# Altium PCB Booster_Main_Board.PcbDoc (part 9 of 11) (continued)
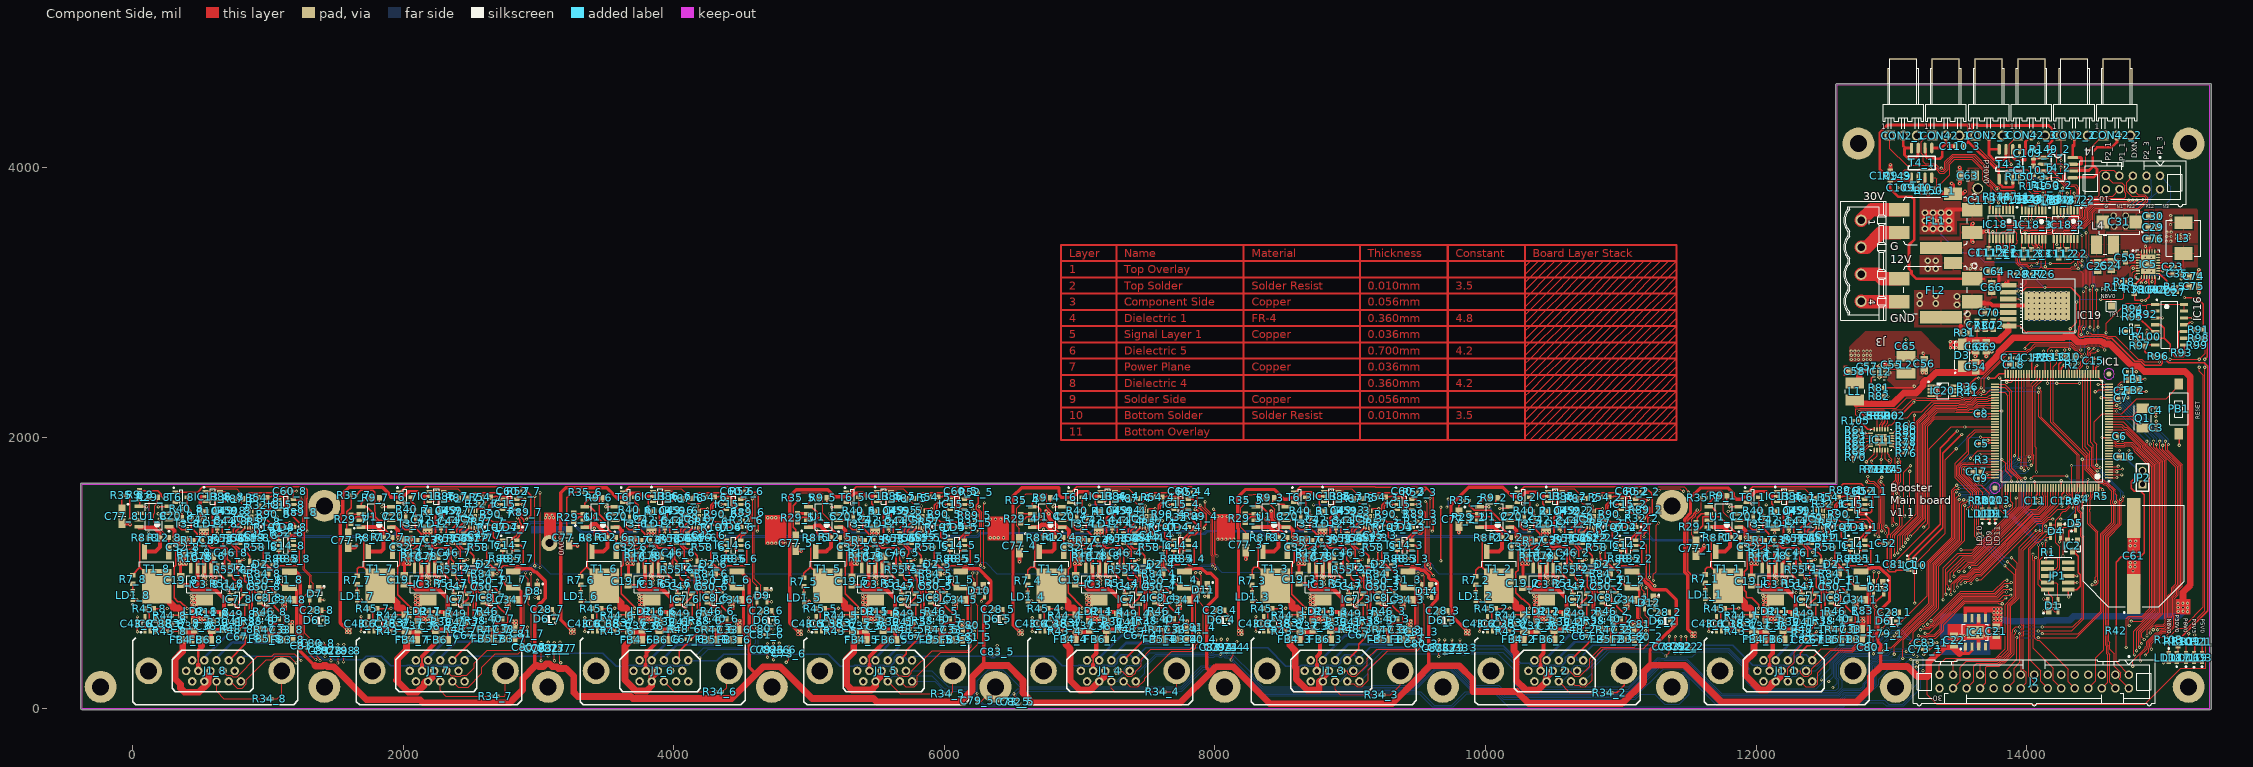
[diagram p0: Component Side view]
## Nets (pads, with @x,y where several pads share a name; then routed paths per layer and width w, separated by ;. In a path a pad name is that pad's centre, name@x,y a point inside that pad or via, vN(x,y) a via of type N, cw(c..) or ccw(c..) an arc to the next point about the centre after c; other vN are vias at no path point) (continued)
  Component Side w10: v1(35,675) C43_8.2@35,641.57 71.57,641.57 IC6_8.5@93,663 ; v1(696,875) R51_8.1@696,902.5 ; v1(786,762) 786,789.46 790.95,794.41 790.95,806.03 IC7_8.5@826.18,841.26 802.72,864.72 C47_8.2@802.72,898.86 ; IC9_8.16@889.53,1340.79 889.53,1328.73 913,1305.26 913,1304 ; IC9_8.5@889.53,1456.93 889.53,1467.53 895,1473 v1(943,1473) 941.5,1474.5 R32_8.1@941.5,1500 ; C45_8.2@929.28,1278 929.28,1287.72 913,1304 ; v1(991,767) 1009,785 1009,801.74 1010.81,803.55 1010.81,835.19 984.16,861.84 984.16,896 C50_8.1@988.72,896 1016,896 1042.18,869.82 IC8_8.5@1042.18,852.4 ; R52_8.1@1121.5,1295 1090,1295 1080.85,1285.85 IC14_8.1@1080.85,1239.4 1041.6,1239.4 1013.7,1267.3 R107_8.2@1013.7,1337.8 1001.14,1350.35 965,1350.35 v1(946.65,1332) 918.65,1304 913,1304 ; C60_8.2@1186.93,1607.07 IC15_8.3@1186.93,1542.52 1191.26,1538.19 1241.01,1538.19 1247,1532.2 1247,1516.5 1248.21,1515.28 1248.21,1473.41 R89_8.2@1240.16,1465.35 ; C60_8.2@1189.67,1604.33 v1(1210.63,1604.33) ; D7.4@1383.4,800.72 1414.17,800.72 v1(1414.9,800) ; v1(1688.54,675.46) C43_7.2@1688.54,642.72 1725.12,642.72 IC6_7.5@1746.54,664.14 ; v1(2349.54,876.14) R51_7.1@2349.54,903.64 ; v1(2435,764) 2447.07,776.07 2447.07,783.97 2453.51,790.41 2461.41,790.41 2479.72,808.72 IC7_7.5@2479.72,842.4 2469.6,842.4 2456.26,855.74 C47_7.2@2456.26,900 ; IC9_7.16@2543.07,1341.93 2543.07,1328.67 2566.54,1305.2 2566.54,1305.14 ; IC9_7.5@2543.07,1458.07 2543.07,1468.67 2548.54,1474.14 2565,1474.14 ; R32_7.1@2561.5,1510 2561.5,1477.65 2565,1474.14 ; C45_7.2@2582.83,1279.14 2582.83,1288.86 2566.54,1305.14 ; v1(2596.54,1474.14) 2565,1474.14 ; v1(2644,768) 2664.07,788.07 2664.07,796.11 2664.35,796.39 2664.35,836.33 2637.7,862.98 2637.7,897.14 2669.54,897.14 2695.72,870.96 IC8_7.5@2695.72,853.54 ; IC14_7.1@2734.39,1240.54 2695.14,1240.54 2667.24,1268.44 R107_7.2@2667.24,1338.94 2654.69,1351.5 2618.54,1351.5 v1(2600.19,1333.14) 2600.19,1331.93 2573.4,1305.14 2566.54,1305.14 ; C60_7.2@2832.6,1604.69 2832.91,1605 C60_7.2@2840.47,1605 ; R52_7.1@2871.5,1605 C60_7.2@2840.47,1605 ; R89_7.2@2903.54,1465.35 2903.54,1538.78 v1(2898.66,1543.66) IC15_7.3@2840.47,1543.66 C60_7.2@2840.47,1605 ; v1(2974,818) 2974.28,817.72 D8.4@2999.4,817.72 ; v1(3342.09,667.91) C43_6.2@3342.09,642.72 3378.66,642.72 IC6_6.5@3400.09,664.14 ; v1(4003.09,876.14) R51_6.1@4003.09,903.64 ; v1(4087,768) 4087,778 4133.27,824.27 IC7_6.5@4133.27,842.4 4119.6,842.4 4109.8,852.2 C47_6.2@4109.8,900 ; IC9_6.16@4196.61,1341.93 4196.61,1325.13 4216.6,1305.14 4220.09,1305.14 ; IC9_6.5@4196.61,1458.07 4196.61,1468.67 4202.09,1474.14 v1(4250.09,1474.14) ; C45_6.2@4236.37,1279.14 4236.37,1288.86 4220.09,1305.14 ; v1(4305,770) 4305,791.8 4317.9,804.69 4317.9,836.33 4291.24,862.98 4291.24,897.14 4323.09,897.14 4349.27,870.96 IC8_6.5@4349.27,853.54 ; IC14_6.1@4387.94,1240.54 4348.69,1240.54 4320.79,1268.44 R107_6.2@4320.79,1338.94 4308.23,1351.5 4272.09,1351.5 v1(4253.73,1333.14) 4225.73,1305.14 4220.09,1305.14 ; C60_6.2@4489.67,1608.21 C60_6.2@4494.02,1608.21 ; R52_6.1@4521.5,1605 4518.28,1608.21 C60_6.2@4494.02,1608.21 ; R32_6.1@4553.5,1390 4555,1390 4570.45,1405.45 4570.45,1444.77 4549.86,1465.35 R89_6.2@4547.24,1465.35 4557.09,1475.2 4557.09,1515.75 4529.17,1543.66 IC15_6.3@4494.02,1543.66 C60_6.2@4494.02,1608.21 ; D9.4@4689.4,785.72 4720.72,785.72 v1(4722,787) ; v1(4995.63,671.37) C43_5.2@4995.63,642.72 5032.2,642.72 IC6_5.5@5053.63,664.14 ; v1(5656.63,876.14) R51_5.1@5656.63,903.64 ; v1(5744,761) 5744,776 5786.81,818.81 IC7_5.5@5786.81,842.4 5763.35,865.87 C47_5.2@5763.35,900 ; IC9_5.16@5850.16,1341.93 5850.16,1326.58 5871.6,1305.14 5873.63,1305.14 ; IC9_5.5@5850.16,1458.07 5850.16,1468.67 5855.63,1474.14 v1(5903.63,1474.14) ; C45_5.2@5889.91,1279.14 5889.91,1288.86 5873.63,1305.14 ; v1(5958,762) 5958,791.25 5971.44,804.69 5971.44,836.33 5944.79,862.98 5944.79,897.14 5976.63,897.14 6002.81,870.96 IC8_5.5@6002.81,853.54 ; IC14_5.1@6041.48,1240.54 6002.23,1240.54 5974.33,1268.44 R107_5.2@5974.33,1338.94 5961.77,1351.5 5925.63,1351.5 5916,1341.87 v1(5916,1333) 5907.13,1333 5879.28,1305.14 5873.63,1305.14 ; C60_5.2@6139.68,1604.69 C60_5.2@6147.56,1604.69 ; C60_5.2@6147.56,1608.21 C60_5.2@6147.56,1604.69 ; R52_5.1@6216.5,1595 6182,1595 6172.31,1604.69 C60_5.2@6147.56,1604.69 ; R32_5.1@6225,1388.5 6228.5,1388.5 6238.98,1398.98 R89_5.2@6238.98,1427.17 6238.98,1434.37 6231.56,1434.37 6224.39,1441.55 6224.39,1452.78 v1(6210.63,1466.54) 6210.63,1525.59 6192.56,1543.66 IC15_5.3@6147.56,1543.66 C60_5.2@6147.56,1604.69 ; v1(6274,788) 6274,797 6295.4,818.4 D10.4@6295.4,823.72 ; v1(6649.17,668.83) C43_4.2@6649.17,642.72 6685.75,642.72 IC6_4.5@6707.17,664.14 ; v1(7310.17,876.14) R51_4.1@7310.17,903.64 ; v1(7397,761) 7397,774 7440.35,817.35 IC7_4.5@7440.35,842.4 7426.6,842.4 7416.89,852.11 C47_4.2@7416.89,900 ; IC9_4.16@7503.7,1341.93 7508.19,1337.44 7508.19,1323.55 7526.6,1305.14 7527.17,1305.14 ; IC9_4.5@7503.7,1458.07 7503.7,1468.67 7509.17,1474.14 v1(7557.17,1474.14) ; C45_4.2@7543.46,1279.14 7543.46,1288.86 7527.17,1305.14 ; v1(7605,766) 7624.7,785.7 7624.7,796.11 7631,802.41 7631,828 7605.17,853.83 7605.17,856.14 7598.33,862.98 7598.33,897.14 7630.17,897.14 7656.35,870.96 IC8_4.5@7656.35,853.54 ; IC14_4.1@7695.02,1240.54 7655.77,1240.54 7627.87,1268.44 R107_4.2@7627.87,1338.94 ; v1(7736.22,1456.69) 7736.22,1434.93 7726.29,1425 ; R32_4.1@7741.5,1410 7741.29,1410 7726.29,1425 ; C60_4.2@7793.23,1604.69 C60_4.2@7800.43,1597.48 ; R52_4.1@7826.5,1595 7802.91,1595 C60_4.2@7800.43,1597.48 ; v1(7905,1115) 7893.13,1126.87 7893.13,1389.63 7912.2,1408.71 R89_4.2@7912.2,1417.32 7912.2,1419.49 7865.16,1466.54 v1(7854.33,1466.54) 7851.19,1469.68 7851.19,1528.73 7836.26,1543.66 IC15_4.3@7801.1,1543.66 7800.43,1544.33 C60_4.2@7800.43,1597.48 ; v1(7924,828) 7924.72,828.72 D11.4@7951.4,828.72 ; v1(7990,1470) 7998.84,1461.16 7998.84,1240.55 8000,1239.39 8000,1140 v1(8015,1125) ; v1(8302.72,675.72) C43_3.2@8302.72,642.72 8339.29,642.72 IC6_3.5@8360.72,664.14 ; v1(8963.72,876.14) R51_3.1@8963.72,903.64 ; v1(9048,767) 9048,775 9093.9,820.9 IC7_3.5@9093.9,842.4 9083.6,842.4 9070.43,855.57 C47_3.2@9070.43,900 ; IC9_3.16@9157.24,1341.93 9161.19,1337.98 9161.19,1319.55 9175.6,1305.14 9180.72,1305.14 ; IC9_3.5@9157.24,1458.07 9157.24,1468.67 9162.72,1474.14 v1(9210.72,1474.14) ; C45_3.2@9197,1279.14 9197,1288.86 9180.72,1305.14 ; v1(9252,768) 9278,794 9278,804.17 9278.53,804.69 9278.53,823.59 9258.72,843.4 9258.72,856.14 9251.87,862.98 9251.87,897.14 9283.72,897.14 9309.9,870.96 IC8_3.5@9309.9,853.54 ; IC14_3.1@9348.57,1240.54 9309.31,1240.54 9281.42,1268.44 R107_3.2@9281.42,1338.94 9268.86,1351.5 R57_3.2@9240,1351.5 9232.72,1351.5 v1(9214.36,1333.14) 9214.36,1327.1 9192.4,1305.14 9180.72,1305.14 ; C60_3.2@9446.77,1602.87 C60_3.2@9454.65,1595 ; C60_3.2@9454.65,1604.69 C60_3.2@9454.65,1608.21 ; R52_3.1@9496.5,1595 C60_3.2@9454.65,1595 ; v1(9576,821) 9576.28,820.72 D14.4@9602.4,820.72 ; v1(9615,980) 9615,982.1 9585.91,1011.19 9582.55,1011.19 9569.19,1024.55 9569.19,1027.91 9552.19,1044.91 9552.19,1069.45 9552.84,1070.1 9552.84,1325.13 9538.5,1339.47 R32_3.1@9538.5,1380 9553.5,1395 9553.5,1446.5 9544.49,1455.51 R89_3.2@9517.72,1455.51 9517.72,1480.72 v1(9523,1486) 9523,1510 9489.34,1543.66 IC15_3.3@9454.65,1543.66 C60_3.2@9454.65,1595 ; v1(9670,1090) v1(9670,1485) ; v1(9925.72,642.72) C43_2.2@9956.26,642.72 9992.83,642.72 IC6_2.5@10014.26,664.14 ; v1(10617.26,876.14) R51_2.1@10617.26,903.64 ; v1(10705,758) 10705,774.18 10721.23,790.41 10721.41,790.41 10747.44,816.44 IC7_2.5@10747.44,842.4 10732,857.84 10732,891.98 C47_2.2@10723.98,900 ; IC9_2.16@10810.79,1341.93 10810.79,1330.95 10834.26,1307.48 10834.26,1305.14 ; IC9_2.5@10810.79,1458.07 10810.79,1468.67 10816.26,1474.14 v1(10864.26,1474.14) ; C45_2.2@10850.54,1279.14 10850.54,1288.86 10834.26,1305.14 ; v1(10923,762) 10931.79,770.79 10931.79,811.47 10905.42,837.84 10905.42,897.14 10937.26,897.14 10963.44,870.96 IC8_2.5@10963.44,853.54 ; IC14_2.1@11002.11,1240.54 10962.86,1240.54 10934.96,1268.44 R107_2.2@10934.96,1338.94 10922.4,1351.5 R57_2.2@10893,1351.5 10886.26,1351.5 10871.55,1336.79 10871.34,1337 v1(10868,1337) 10868,1333.74 10839.4,1305.14 10834.26,1305.14 ; C60_2.2@11100.31,1604.69 11105,1600 C60_2.2@11108.19,1600 ; R52_2.1@11141.5,1600 C60_2.2@11108.19,1600 ; v1(11246,774) 11248.4,771.6 D12.4@11248.4,735.72 ; v1(11250,905) 11247.76,905 11217.32,935.43 11217.32,937.68 11209.81,945.19 11202.55,945.19 11189.19,958.55 11189.19,1205.33 11148.43,1246.09 11148.43,1279.13 11151.02,1281.72 11151.02,1301.42 11173.5,1323.91 R32_2.1@11173.5,1405 11177.25,1405 11215,1442.75 11215,1480 11209.96,1485.04 R89_2.2@11181.1,1485.04 11181.1,1522.1 v1(11202.66,1543.66) IC15_2.3@11108.19,1543.66 C60_2.2@11108.19,1600 ; v1(11555,955) 11496.06,1013.94 11496.06,1387.74 11538.06,1429.74 11538.06,1438.06 v1(11565,1465) ; v1(11615.28,642.72) C43_1.2@11649.17,642.72 11685.75,642.72 IC6_1.5@11707.17,664.14 ; v1(12295,855) 12295,888.46 R51_1.1@12310.17,903.64 ; v1(12397,762) 12397,773.27 12414.14,790.41 12416.41,790.41 12440.35,814.35 IC7_1.5@12440.35,842.4 12428.6,842.4 12416.89,854.11 C47_1.2@12416.89,900 ; IC9_1.16@12503.7,1341.93 12503.7,1329.56 12509.81,1323.45 12509.81,1321.93 12526.6,1305.14 12527.17,1305.14 ; R32_1.1@12516.5,1510 12516.5,1481.46 12509.17,1474.14 v1(12557.17,1474.14) ; C45_1.2@12543.46,1279.14 12543.46,1288.86 12527.17,1305.14 ; v1(12609,766) 12609,788.71 12624.98,804.69 12624.98,823.59 12605.17,843.4 12605.17,856.14 12598.33,862.98 12598.33,897.14 12630.17,897.14 12656.35,870.96 IC8_1.5@12656.35,853.54 ; R89_1.2@12664.17,1630.65 12664.17,1631.89 12691.66,1631.89 12693.72,1633.95 v1@12768.49,1633.95 ; v1(12676,1988) 12689.49,1974.51 R64.2@12717.36,1974.51 R65.2@12717.36,1935.14 ; IC14_1.1@12695.02,1240.54 12655.77,1240.54 12627.87,1268.44 R107_1.2@12627.87,1338.94 12615.31,1351.5 R57_1.2@12586,1351.5 12579.17,1351.5 v1(12560.82,1333.14) 12560.82,1330.56 12535.4,1305.14 12527.17,1305.14 ; v1(12717.36,1828.64) R70.2@12717.36,1856.4 R68.2@12717.36,1895.77 ; R63.2@12717.36,2013.88 R61.2@12717.36,2053.25 v1(12717.36,2085.64) 12717.72,2085.99 R105.2@12717.72,2125.98 ; v1(12759.82,2192.91) 12766.07,2192.91 12776.16,2203 ; v1(12765,1635) 12767.45,1635 v1@12768.49,1633.95 ; C60_1.2@12793.23,1604.69 12793.54,1605 C60_1.2@12797.45,1605 ; v1(12796,1746) 12799,1749 R71.2@12841.82,1749 R72.2@12881.19,1749 R73.2@12930.4,1749 R74.2@12969.77,1749 R75.2@13009.14,1749 ; IC15_1.3@12801.1,1543.66 12801.1,1601.34 C60_1.2@12797.45,1605 ; R52_1.1@12826.5,1605 C60_1.2@12797.45,1605 ; C53.1@12844.13,2143.8 12812.8,2143.8 12776.16,2180.45 12776.16,2203 ; v1(12885,751) 12885,786.32 D13.4@12942.4,843.72 ; IC11.21@12932.72,2061.13 12932.72,2095.92 12946.72,2109.92 12946.72,2112.72 12952,2118 12952,2184.07 ; R81.2@12942.69,2370.26 12942.69,2367.25 13154.26,2367.25 v1@13167.5,2380.5 ; IC12.8@12952.54,2488.37 12953.91,2487 12981,2487 v1(12988,2480) ; R60.1@12977,2180.5 12955.57,2180.5 12952,2184.07 ; C55.2@12983.28,2538 12987,2541.72 v1(12987,2577) ; R62.1@13026,2180.5 13084.5,2180.5 v1(13166,2262) ; C65.1@13107,2659.28 13108.05,2658.24 L2.2@13108.05,2600.57 ; IC10.1@13126.76,1093.4 13126.76,1125.76 13359,1358 13359,1921 v1(13487,2049) ; R76.2@13128.39,1885.93 R77.2@13128.39,1925.3 R78.2@13128.39,1964.67 R79.2@13128.39,2004.04 R80.2@13128.39,2043.41 13128.39,2048.2 13139.76,2059.57 13144.36,2059.57 13169.29,2084.51 v1(13169.29,2165.35) ; v1(13234,2624) 13244,2614 C56.2@13244,2581.43 ; IC20.8@13467.61,2384.39 13509.39,2384.39 13524,2399 13578,2399 ; R41.1@13581.5,2332 13581,2332.5 13581,2396 13578,2399 ; v1(13644,2440) 13624,2440 13583,2399 13578,2399 ; v1(13673,1672) 13674.78,1673.78 13674.78,1699 13680.29,1704.51 13695.23,1704.51 13697.55,1702.19 13762.42,1702.19 IC1.108@13764.74,1704.51 ; v1(13679,2207) 13675.78,2203.78 13675.78,2177 13675.83,2176.95 IC1.84@13764.74,2176.95 ; v1(13681.78,1981.78) 13681.78,1954 13688.2,1960.42 13699.53,1960.42 13702.65,1957.29 13721.55,1957.29 13724.68,1960.42 IC1.95@13764.74,1960.42 ; C113_1.2@13716.54,3741.14 13730.9,3741.14 ; v1(13718,2439) 13764,2439 13795.26,2470.26 IC1.72@13841.51,2470.26 13840,2471.77 v1(13840,2569) ; IC18_1.8@13724.51,3683.07 13730.63,3689.2 13730.63,3740.88 13730.9,3741.14 ; v1(13740.88,3751.13) 13730.9,3741.14 ; v1(13797.24,3783.46) 13797.44,3783.27 13860.43,3783.27 R147_1.2@13874.02,3796.85 ; IC18_1.13@13824.51,3470.47 13827.19,3467.79 13827.19,3396.23 13833.63,3389.79 13835.8,3389.79 R23.1@13850.39,3375.2 13850.39,3346.46 v1(13851.38,3345.47) ; v1@13840,2569.78 13845.65,2564.13 13851.22,2569.7 13853.98,2569.7 C14.1@13873.28,2589 ; IC18_3.8@13964.67,3679.13 13964.67,3733.17 C113_3.2@13957.68,3740.16 13978.35,3740.16 13999.02,3760.83 v1(13999.02,3782.48) 14000.2,3781.3 R24.1@14025.59,3781.3 R148_3.2@14063.98,3781.3 ; v1(14012.22,2577.22) 14038,2577.22 14038.36,2576.86 IC1.62@14038.36,2470.26 ; C11.1@14063,1546.78 C11.1@14063,1550.72 14063,1566 14077.73,1580.73 IC1.121@14077.73,1627.74 ; C11.1@14069,1548.78 v1(14090.78,1548.78) ; R147_3.2@14118.11,3782.28 14118.11,3806.1 v1(14119.09,3807.09) ; v1(14124.02,807.09) 14127.95,803.15 D1.4@14155.51,803.15 ; R25.1@14124.02,2607.09 v1(14124.02,2637.8) ; R113.2@14177,2613.5 14183.07,2619.57 v1(14183.07,2637.8) ; R1.1@14178.5,1154 v1(14178.5,1187.5) ; IC18_2.8@14199.9,3681.1 14199.9,3734.15 C113_2.2@14195.87,3738.19 14200.6,3738.19 14214.74,3752.33 14214.74,3757.06 14236.02,3778.35 R22.1@14244.09,3778.35 14244.09,3805.12 14246.06,3807.09 14245.88,3807.27 v1(14243.81,3807.27) ; R112.2@14221,2613.5 14222.44,2614.94 v1(14222.44,2637.8) ; IC1.52@14235.21,2470.26 14235.21,2542.21 C10.1@14273,2580 ; v1(14242.13,1230.31) 14250,1238.19 D4.4@14250,1263.78 ; IC1.131@14274.58,1627.74 14274.58,1594.58 14260,1580 C13.1@14260,1550.72 14260,1546.78 14279.05,1546.78 14288,1555.73 v1(14288,1563) ; v1(14281.5,2647.64) 14281.5,2639.36 14282.57,2640.43 C10.1@14282.57,2597 ; R148_2.2@14299.21,3778.35 v1(14299.21,3807.09) ; v1(14310,822) 14306.77,825.23 JP1.1@14306.77,878 14308.79,875.98 14370.08,875.98 14394.81,900.72 14394.81,986.45 14379.92,1001.34 14379.92,1123.08 14341,1162 v1(14376,1162) ; v1(14343,1479) R6.1@14343,1511.5 ; v1(14350.39,3806.1) 14351.38,3807.09 R147_2.2@14351.38,3778.35 ; v1(14463.78,2555.22) 14493,2555.22 14491.12,2553.34 IC1.39@14491.12,2470.26 ; IC1.144@14530.49,1627.74 14547.12,1627.74 v1(14560,1614.86) 14568.23,1606.63 R5.1@14568.23,1563.05 ; IC1.17@14607.26,2019.47 14664.75,2019.47 14675.22,2009 14673,2006.78 v1(14673,1980) ; IC1.30@14607.26,2275.38 14640.38,2275.38 14654,2289 C7.1@14679.22,2289 ; v1(14625.98,3090.55) 14627.17,3091.73 R14.2@14655.51,3091.73 ; C16.1@14684.57,1860 14684.57,1904.57 v1(14685,1905) ; R94.1@14814.96,2952.76 14843.68,2924.04 14843.68,2913.39 14847.59,2909.47 14874.19,2909.47 R92.1@14888.78,2894.88 14939.52,2894.88 IC16.3@14949.77,2884.63 v1(15003.59,2884.63) ; FB1.2@14827.43,2432 v1(14874,2432) ; R100.2@14888.78,2764.57 v1(14888.78,2794.44) ; R111.2@15242.05,509.72 v1(15242.05,541.21) ; 7527.17,1305.14 7535.4,1305.14 7560.82,1330.56 7560.82,1333.14 7579.17,1351.5 R57_4.2@7586,1351.5 7615.31,1351.5 R107_4.2@7627.87,1338.94 ; R107_4.2@7627.87,1338.94 7628.31,1338.94 7680.7,1391.33 7692.62,1391.33 7726.29,1425 ; v1@12768.49,1633.95 C60_1.2@12787.81,1614.64 ; v1@12768.49,1633.95 12769,1634.46 12787.81,1615.65 C60_1.2@12787.81,1614.64 ; 12776.16,2203 12933.07,2203 12934.15,2201.92 12942.76,2201.92 12949.2,2195.48 12949.2,2186.87 12952,2184.07 ; C60_1.2@12787.81,1614.64 C60_1.2@12797.45,1605
  Component Side w20: 12958,2538 C55.2@12983.28,2538
  Signal Layer 1 w10: 35,1343 66.83,1374.83 334.48,1374.83 493.65,1534 944,1534 945,1535 ; v1(696,875) 696,841 775,762 v1(786,762) 795,771 859,771 ; v1(946.65,1332) 2412,1332 2469,1275 2543.26,1275 2600.19,1331.93 v1(2600.19,1333.14) 3382.88,1333.14 3402.55,1352.81 3421.45,1352.81 3441.12,1333.14 4034.86,1333.14 4088,1280 4200.59,1280 v1(4253.73,1333.14) 4260.43,1326.45 4499.39,1326.45 4506.08,1333.14 5039.88,1333.14 5046.55,1339.81 5598.76,1339.81 5627.24,1311.33 5739.44,1311.33 5774.58,1276.19 5867.19,1276.19 5916,1325 v1(5916,1333) ; v1(1210.63,1604.33) 1193.67,1604.33 1166,1632 1032.74,1632 1030.81,1630.07 1030.81,1607.55 1017.45,1594.19 991.19,1594.19 945,1548 945,1535 ; v1(1688.54,675.46) 1688.54,699.54 ; v1(2349.54,876.14) 2350,875.69 2350,790 ; v1(3342.09,667.91) 3342.09,714.24 3341,715.33 3340,714.33 3129.11,714.33 3125.63,717.81 3106.73,717.81 3103.25,714.33 3046.43,714.33 3042.95,717.81 3024.06,717.81 3020.57,714.33 2715.67,714.33 2664,766 2247,766 2195.95,714.95 2087.09,714.95 2086.14,714 1703,714 1688.54,699.54 ; 3878,772 4043,772 ; v1(4003.09,876.14) 4003.09,811.91 4043,772 ; v1(4087,768) 4047,768 4043,772 ; v1@4087,772 4353.33,772 4395.28,730.06 4395.28,727.69 4408.64,714.33 4429.54,714.33 4458.9,743.69 4458.9,745.69 4461.24,748.03 4980.31,748.03 4987.97,740.37 ; v1(4250.09,1474.14) 4290.83,1474.14 4302.64,1462.33 4424.33,1462.33 4505.66,1543.66 v1(4534.66,1543.66) ; v1(4995.63,671.37) 4995.63,732.72 ; 4995.63,740.37 4995.63,732.72 ; 5538,759 5978,759 6007,730 6046.51,730 6062.18,714.33 6081.08,714.33 6096.75,730 6649.17,730 ; v1(5656.63,876.14) 5656.63,798.37 5694,761 v1(5744,761) ; v1(6649.17,668.83) 6649.17,730 ; v1(7310.17,876.14) 7310.17,789.83 7335,765 ; v1(7397,761) 7339,761 7335,765 ; v1@7397,765 7630,765 7665,730 7700.06,730 7715.72,714.33 7734.62,714.33 7750.29,730 8291.43,730 8302.72,718.72 ; v1(7557.17,1474.14) 7597.91,1474.14 7615.36,1456.69 7642.55,1456.69 7658.81,1472.95 7707.53,1472.95 7723.79,1456.69 v1(7736.22,1456.69) v1@7854.33,1456.69 ; v1(7854.33,1466.54) 8006.54,1466.54 8010,1470 v1(7990,1470) ; v1(8302.72,675.72) 8302.72,718.72 ; v1(8963.72,876.14) 8963.72,804.28 ; v1(9048,767) 9001,767 8963.72,804.28 ; v1@9048,768 v1(9252,768) 9289,768 9419,898 9921,898 ; v1(9210.72,1474.14) 9211.76,1475.19 9311.02,1475.19 ; v1(9523,1486) 9669,1486 v1(9670,1485) ; v1(9925.72,642.72) 9925.72,893.28 9921,898 ; v1(10617.26,876.14) 10617.26,797.74 10657,758 ; 10944.88,1559.06 10968.5,1559.06 10992.13,1535.43 11066.93,1535.43 11075.16,1543.66 v1(11202.66,1543.66) ; v1(11565,1465) 11640,1465 11645,1460 ; v1(11615.28,642.72) 11615.28,721.72 ; v1(12295,855) 12295,800 12333,762 v1@12395.86,762 ; v1(12397,762) v1@12395.86,762 ; 12549.21,1564.96 12696.85,1564.96 ; v1(12609,766) 12399.86,766 v1@12395.86,762 ; 12618.11,1456.69 12677.17,1456.69 12706.69,1486.22 ; v1(12759.82,2192.91) 12759.82,2199.92 12802.55,2157.19 13061.19,2157.19 v1(13166,2262) 13169.29,2258.71 v1(13169.29,2165.35) ; v1(12765,1635) 12770,1635 v1@12771.54,1633.46 ; v1(12987,2577) 12988,2576 v1(12988,2480) ; 859,771 1033,771 1059,797 1591.09,797 1688.54,699.54 ; 859,771 859,973.74 838.19,994.55 838.19,1034.19 875,1071 875,1225 945,1295 945,1535 ; 4987.97,740.37 4995.63,732.72 ; 4987.97,740.37 4980.31,732.72 4995.63,732.72 ; 6649.17,730 6846.06,730 6860.72,715.33 6879.62,715.33 6894.29,730 6994.06,730 7008.72,715.33 7027.62,715.33 7036.62,724.33 7063.62,724.33 7069.65,730.35 7073.67,726.33 7135.33,726.33 7174,765 7335,765 ; 8302.72,718.72 8455,871 8897,871 8963.72,804.28 ; 9921,898 10398,898 10538,758 10657,758 ; 10657,758 v1(10705,758) 10956,758 11007,809 11258.74,809 11266.55,801.19 11285.45,801.19 11293.26,809 11528,809 11615.28,721.72 ; 11615.28,721.72 11615.28,735 11701.43,735 11711.43,725 11854.74,725 11862.55,717.19 11881.45,717.19 11889.26,725 11999.06,725 12008.72,715.33 12027.62,715.33 12037.29,725 12044.06,725 12044.72,724.33 12358.19,724.33 v1@12395.86,762
  Solder Side w10: v1@2349.54,874.14 v1(2349.54,876.14) ; v1(2596.54,1474.14) 2596.54,1336.79 v1(2600.19,1333.14) ; v1(4250.09,1474.14) 4250.09,1336.79 v1(4253.73,1333.14) ; v1@5656.63,874.14 v1(5656.63,876.14) ; 5903.63,1336.79 v1(5903.63,1474.14) ; v1(9210.72,1474.14) 9210.72,1336.79 v1(9214.36,1333.14) ; v1(10864.26,1474.14) 10868,1470.4 v1(10868,1337) ; v1(12295,855) v1@12295,858.97 ; v1(12557.17,1474.14) 12557.17,1336.79 v1(12560.82,1333.14) ; v1(13644,2440) 13717,2440 v1(13718,2439)
  other v1: 6178,1597 12812,2143 14655,2290 13169,2379 13186,2577 12703,2578 12730,2578 12756,2578 12793,2578 12820,2578 12846,2578 12703,2608 12730,2608 12756,2608 12793,2608 12820,2608 12846,2608 12703,2639 12729,2639 12756,2639 12793,2639 12819,2639 12846,2639
P5V0: C22.2 F1_1.1 F1_2.1 F1_3.1 F1_4.1 F1_5.1 F1_6.1 F1_7.1 F1_8.1 IC4.1 IC4.2 R21.1 | length 24461.1
  Component Side w6: 13266.43,233.19 13266.43,97.57 13334.47,29.53 14872.05,29.53 15137.8,295.28 15324.8,295.28 15324.8,511.81 15323.62,510.63 R21.1@15295.28,510.63 ; 13595,425.71 IC4.2@13595,456.67
  Component Side w20: 13503.94,403.54 13543.31,403.54 ; IC4.1@13545,456.67 13545,405.24 13543.31,403.54 ; 13595,425.71 13572.83,403.54 13543.31,403.54
  Component Side w25: F1_8.1@1160,1009.06 1207.94,1009.06 1240.16,976.84 1240.16,421.99 1347.15,315 ; F1_7.1@2813.54,1010.2 2833.66,1030.31 2947.56,1030.31 2971.31,1006.56 2984.44,1006.56 3051,940 3051,811.66 3018.88,779.54 3013.54,779.54 2971.31,737.31 2971.31,307.31 ; F1_6.1@4467.09,1010.2 4494.8,1010.2 4557,948 4557,304 4608.53,252.47 ; F1_5.1@6120.63,1010.2 6139.74,1029.31 6252.82,1029.31 6342,940.13 6342,798 6291,747 6291,315 ; F1_4.1@7774.17,1010.2 7792.98,1029 7842.13,1029 7845.44,1032.31 7903.69,1032.31 7940,996 7968,996 8012,952 8012,822 7940,750 7940,297 7969.76,267.24 ; F1_3.1@9427.72,1010.2 9447.83,1030.31 9511.2,1030.31 9515.69,1025.82 9522.2,1019.31 9544.56,1019.31 9545.69,1018.18 9545.69,1014.82 9579,981.51 9579,965 9594.54,949.46 9621.88,949.46 9642,929.34 9642,807 9632.71,797.71 9632.71,793.38 9579,739.66 9579,303 ; F1_2.1@11081.26,1010.2 11109.44,1010.2 11165.69,953.95 11165.69,948.82 11192.82,921.69 11196.18,921.69 11215.31,902.56 11215.31,896.82 11237.44,874.69 11262.56,874.69 11262.87,875 11334,875 11409,800 11409,619 11351.31,561.31 11347.44,561.31 11215,428.87 11215,317 ; F1_1.1@12810,1011 12829.33,1030.33 12840.52,1030.33 12849.5,1039.31 12913.56,1039.31 12986,966.87 12986,792.77 12923.54,730.31 12917.44,730.31 12899.69,712.56 12899.69,687.44 12900.5,686.63 12900.5,665.4 12897.6,662.51 12897.6,627.49 12900.5,624.6 12900.5,566.37 12886.69,552.56 12886.69,527.44 12900.5,513.63 12900.5,488.69 12921.35,467.85 12921.35,446.21 12912.69,437.56 12912.69,412.44 12921.35,403.79 12921.35,308.66
  Component Side w50: 1347.15,315 1352.96,309.19 1402.73,309.19 1408.54,315 1429.46,315 1437.87,306.59 1483.87,306.59 1728.35,62.11 2125.67,62.11 2148.41,39.37 2785.37,39.37 2884,138 2884,220 2971.31,307.31 2980,316 2992.46,316 3001.27,307.19 3036.73,307.19 3058.54,329 3079.46,329 3101.87,306.59 3132.63,306.59 3146.03,293.19 3182.73,293.19 3184.7,295.15 3201.85,295.15 3261,236 3261,115 3290,86 3683.23,86 3697.28,71.95 4428.01,71.95 4608.53,252.47 4662.65,306.59 ; 4664.41,306.59 4786.17,306.59 5020.81,71.95 5475.95,71.95 5502.9,45 6117,45 6206.22,134.22 6206.22,233.22 6288,315 6291,315 6472,315 6582,205 6582,112 6631,63 6631,40 7742.51,40 7969.76,267.24 8009.1,306.59 8132.63,306.59 8406.25,32.97 9310.29,32.97 9499.31,221.98 9499.31,223.31 9579,303 9590,314 9805,314 9905.14,213.86 9905.14,123.14 10230.73,123.14 10319.88,34 11009,34 11170,195 11170,272 11215,317 11473,317 11745,45 12741,45 12845.76,149.76 12845.76,233.07 12921.35,308.66 13118.17,308.66 13193.64,233.19 13266.43,233.19 13266.43,248.89 13275.81,258.27 13275.81,341.81 13390.67,456.67 13450.81,456.67 13503.94,403.54
P5V0_CH_1: C36_1.2 FB6_1.2 R39_1.1 R48_1.2 | length 247.1
  Component Side w10: R39_1.1@12289.76,579.96 12292.72,582.91 R48_1.2@12365.75,582.91
  Component Side w12: C36_1.2@12201.17,571.71 12210.43,562.45 FB6_1.2@12210.43,510
  Component Side w30: C36_1.2@12185.43,579.96 R39_1.1@12289.76,579.96
P5V0_CH_2: C36_2.2 FB6_2.2 R39_2.1 R48_2.2 | length 252.5
  Component Side w10: R39_2.1@10596.85,579.96 10599.8,582.91 R48_2.2@10672.83,582.91
  Component Side w12: C36_2.2@10508.26,571.71 10510.43,569.54 FB6_2.2@10510.43,510
  Component Side w30: C36_2.2@10486.61,574.06 10492.52,579.96 R39_2.1@10596.85,579.96
P5V0_CH_3: C36_3.2 FB6_3.2 R39_3.1 R48_3.2 | length 258.3
  Component Side w10: R39_3.1@8943.31,579.96 8946.26,582.91 R48_3.2@9019.29,582.91
  Component Side w12: C36_3.2@8846.46,579.96 8838.98,579.96 8855.43,563.5 FB6_3.2@8855.43,510
  Component Side w30: C36_3.2@8846.46,579.96 R39_3.1@8943.31,579.96
P5V0_CH_4: C36_4.2 FB6_4.2 R39_4.1 R48_4.2 | length 254
  Component Side w10: R39_4.1@7289.76,579.96 7292.72,582.91 R48_4.2@7365.75,582.91
  Component Side w12: FB6_4.2@7195.43,510 7195.43,565.97 C36_4.2@7201.17,571.71
  Component Side w30: C36_4.2@7179.53,574.06 7185.43,579.96 R39_4.1@7289.76,579.96
P5V0_CH_5: C36_5.2 FB6_5.2 R39_5.1 R48_5.2 | length 241.8
  Component Side w10: R39_5.1@5636.22,579.96 5639.17,582.91 R48_5.2@5712.2,582.91
  Component Side w30: C36_5.2@5550.43,579.96 R39_5.1@5636.22,579.96 5636.22,514.21 FB6_5.2@5645.43,505
P5V0_CH_6: C36_6.2 FB6_6.2 R39_6.1 R48_6.2 | length 274.1
  Component Side w10: R39_6.1@3982.68,579.96 3985.63,582.91 R48_6.2@4058.66,582.91
  Component Side w12: FB6_6.2@3960.43,505 3960.43,557.72 R39_6.1@3982.68,579.96
  Component Side w30: C36_6.2@3872.44,574.06 3878.35,579.96 R39_6.1@3982.68,579.96
P5V0_CH_7: C36_7.2 FB6_7.2 R39_7.1 R48_7.2 | length 265.4
  Component Side w10: R39_7.1@2329.13,579.96 2332.09,582.91 R48_7.2@2405.12,582.91
  Component Side w12: R39_7.1@2329.13,579.96 2330.43,578.66 FB6_7.2@2330.43,505
  Component Side w30: C36_7.2@2218.9,574.06 2224.8,579.96 R39_7.1@2329.13,579.96
P5V0_CH_8: C36_8.2 FB6_8.2 R39_8.1 R48_8.2 | length 258.2
  Component Side w10: R39_8.1@675.59,578.82 678.54,581.77 R48_8.2@751.57,581.77
  Component Side w30: C36_8.2@565.35,572.91 571.26,578.82 R39_8.1@675.59,578.82 ; FB6_8.2@580.43,505 580.43,564 C36_8.2@587,570.57